# Altium PCB board_layout.pcbdoc (part 1 of 3) (continued)
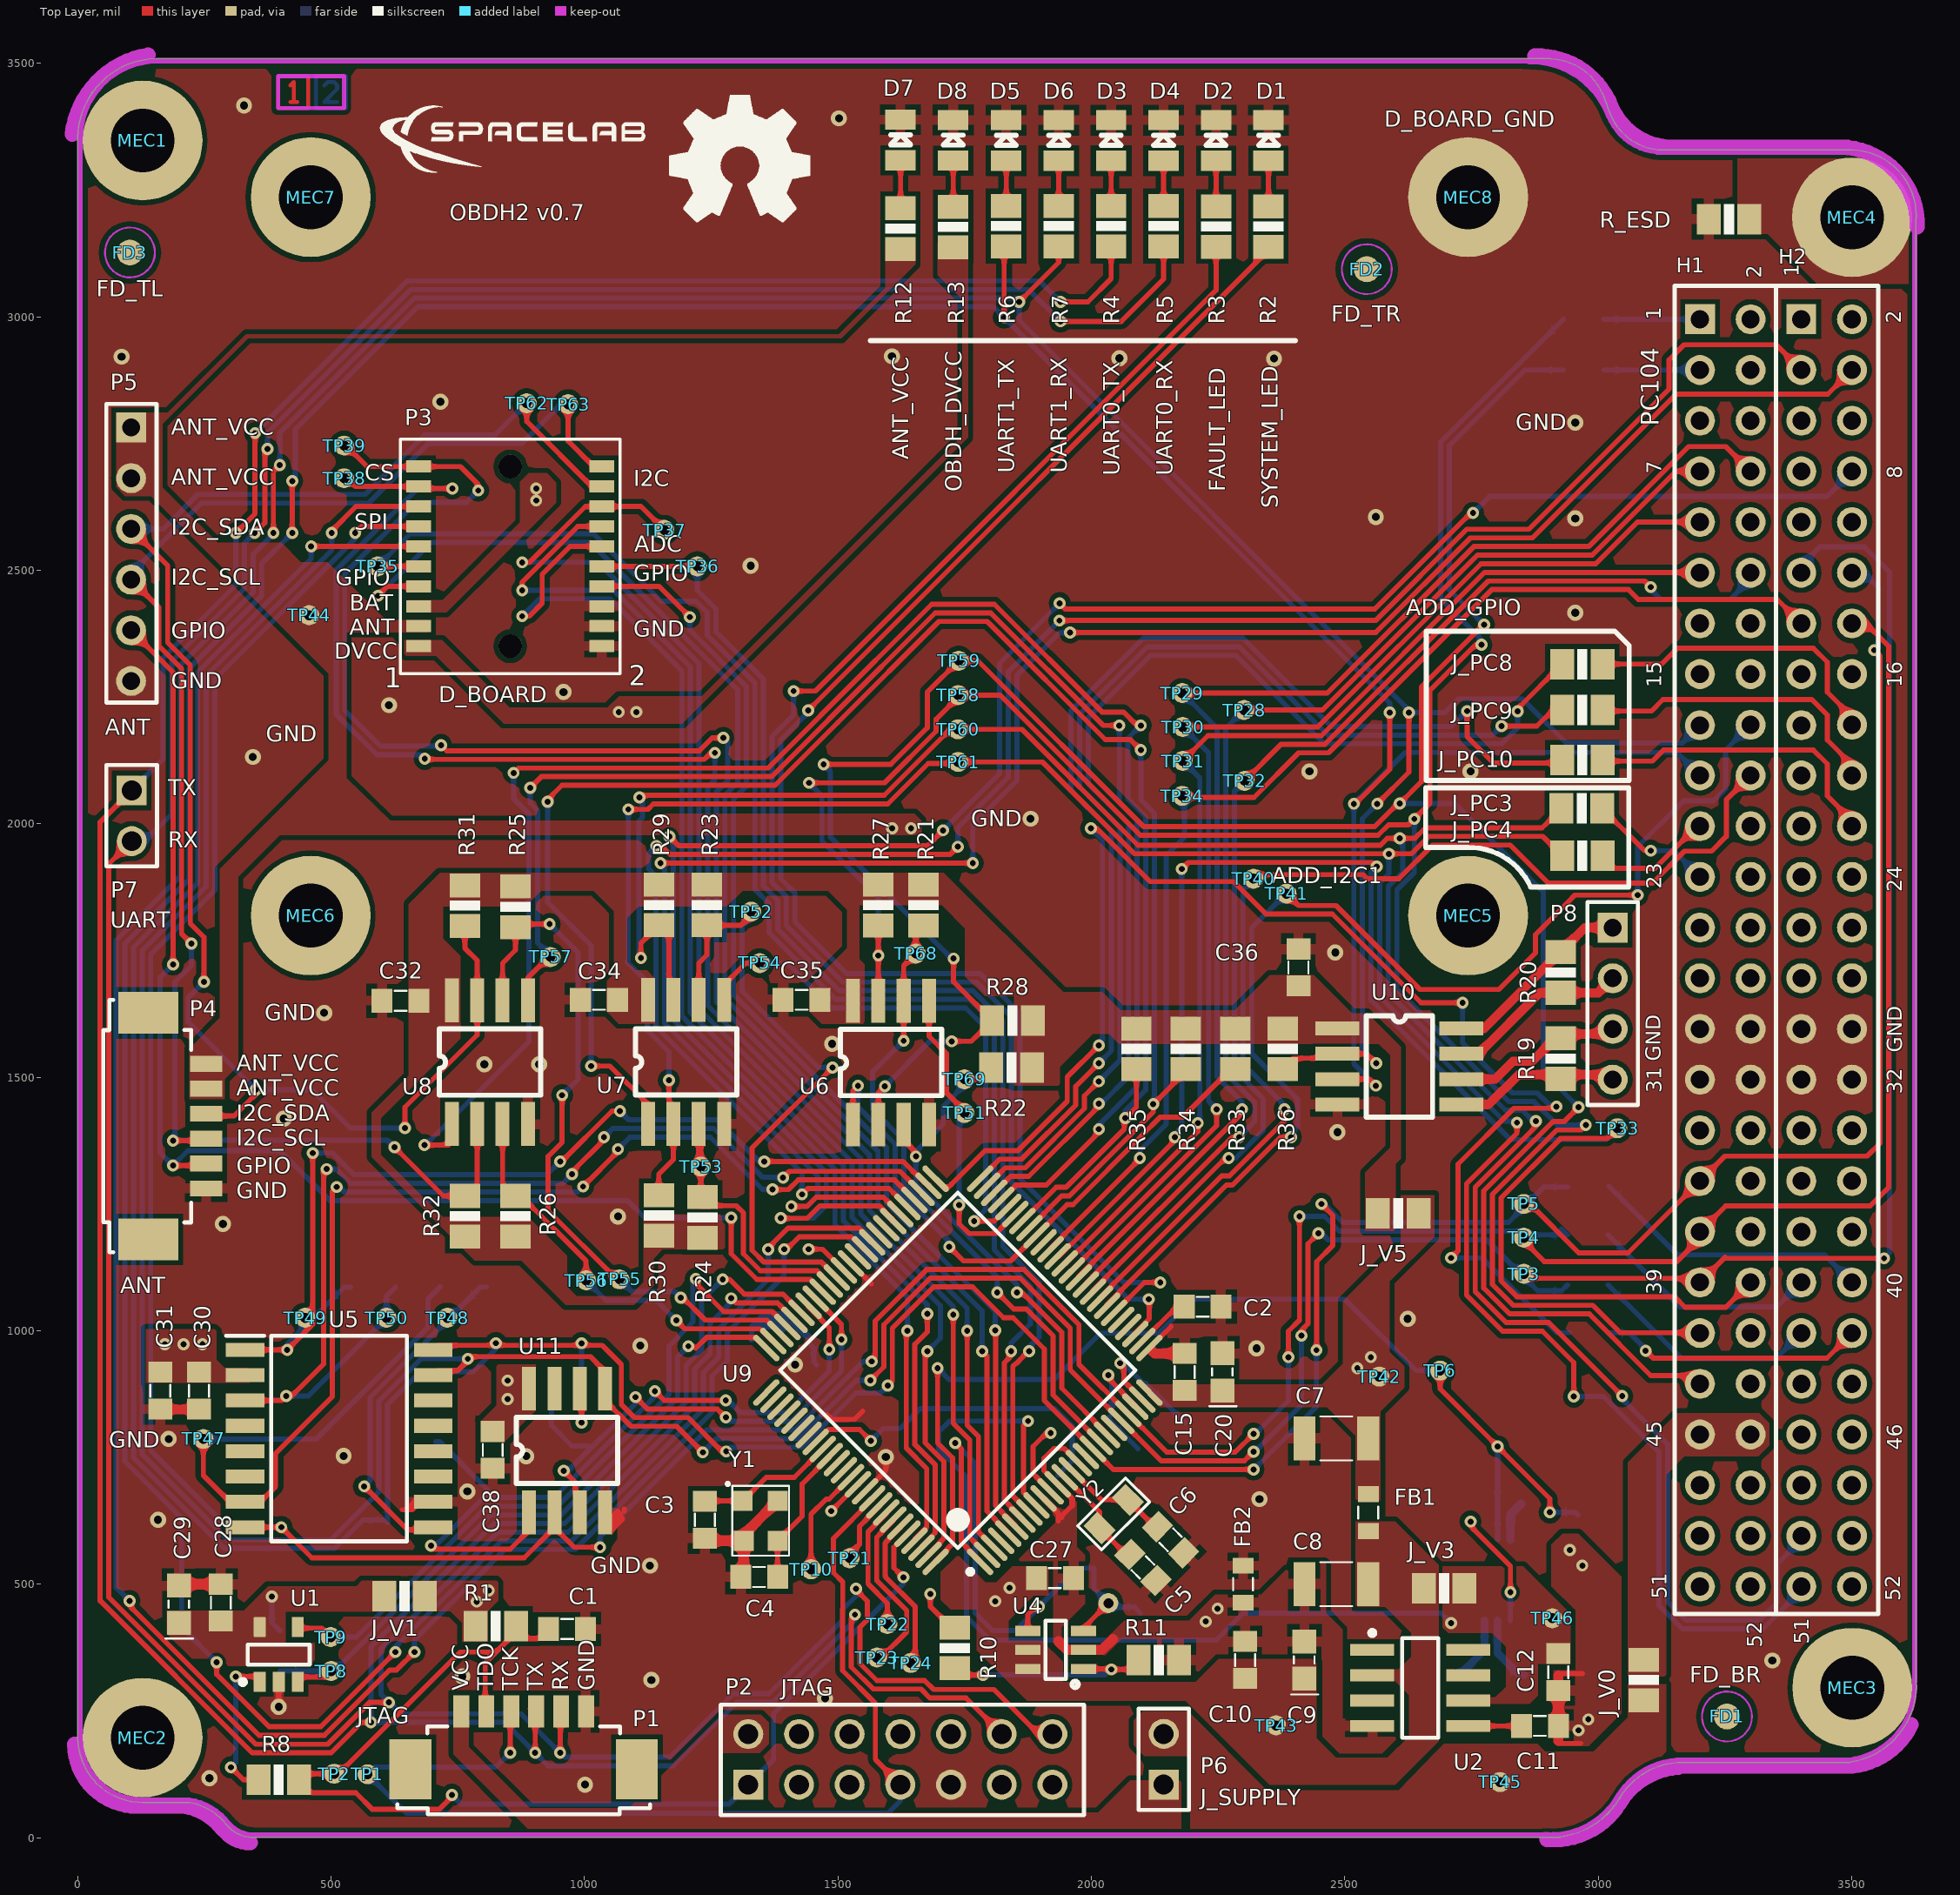
[diagram p0: Top Layer view]
## Components (designator, comment, footprint, x,y, rotation, side; value= is the part's Value field where it differs from the comment) (continued)
R10 "47k" 0805 1730.31,374.02 r90 top
R11 "47k" 0805 2132.87,350.59 r180 top
R12 "1k" 0805 1623.43,3174.12 r270 top
R13 "1k" 0805 1727.36,3177.39 r270 top
R14 "10k" 0805 715.55,1126.78 r90 bottom
R15 "10k" 0805 806.1,1125.98 r90 bottom
R16 "10k" 0805 538.39,1125.68 r90 bottom
R17 "10k" 0805 626.97,1125.68 r90 bottom
R18 "100k" 0805 589.57,586.61 r225 bottom
R19 "120R" 0805 2926.18,1536.77 r90 top
R20 "120R" 0805 2926.18,1706.67 r270 top
R21 "10k" 0805 1668.97,1839.57 r90 top
R22 "10k" 0805 1842.34,1519.41 r0 top
R23 "10k" 0805 1241.39,1839.76 r90 top
R24 "10k" 0805 1232.28,1223.43 r270 top
R25 "10k" 0805 863.82,1836.22 r90 top
R26 "10k" 0805 863.82,1225.93 r270 top
R27 "10k" 0805 1579.6,1839.57 r90 top
R28 "10k" 0805 1844.07,1611.93 r0 top
R29 "10k" 0805 1146.53,1839.76 r90 top
R30 "10k" 0805 1146.53,1227.36 r270 top
R31 "10k" 0805 763.82,1838.58 r90 top
R32 "10k" 0805 763.82,1225.93 r270 top
R33 "10k" 0805 2283.57,1556.1 r90 top
R34 "10k" 0805 2186.14,1556.1 r90 top
R35 "10k" 0805 2088.7,1556.1 r90 top
R36 "10k" 0805 2377.12,1556.1 r90 top
R37 "12K" 0805 2033.46,560.04 r225 bottom
R38 "10k" 0805 398.92,368.11 r270 bottom
R39 "10k" 0805 706.06,821.25 r90 bottom
R40 "10k" 0805 934.75,890.75 r90 bottom
R_ESD "1M" 0805 3257.87,3192.91 r0 top
RSense "0.05R/0.5W" "1206 - ohmite" 2786.42,303.15 r0 bottom
TP1 "TEST_POINT_2" TEST_POINT_2#1 571.85,125 r180 top
TP2 "TEST_POINT_2" TEST_POINT_2#1 505.91,125.98 r180 top
TP3 "TEST_POINT_2" TEST_POINT_2#1 2853.35,1112.2 r180 top
TP4 "TEST_POINT_2" TEST_POINT_2#1 2853.04,1183.43 r180 top
TP5 "TEST_POINT_2" TEST_POINT_2#1 2853.04,1250 r180 top
TP6 "TEST_POINT_2" TEST_POINT_2#1 2687.99,921.26 r180 top
TP7 "TEST_POINT_2" TEST_POINT_2#1 2033.46,462.6 r0 bottom
TP8 "TEST_POINT_2" TEST_POINT_2#1 500,328.74 r90 top
TP9 "TEST_POINT_2" TEST_POINT_2#1 499.02,395.67 r90 top
TP10 "TEST_POINT_2" TEST_POINT_2#2 1446.83,529.53 r90 top
TP21 "TEST_POINT_2" TEST_POINT_2#1 1522.91,551.18 r180 top
TP22 "TEST_POINT_2" TEST_POINT_2#1 1597.44,421.26 r180 top
TP23 "TEST_POINT_2" TEST_POINT_2#1 1576.77,355.32 r180 top
TP24 "TEST_POINT_2" TEST_POINT_2#1 1643.7,344.49 r180 top
TP28 "TEST_POINT_2" TEST_POINT_2#1 2301.18,2224.41 r180 top
TP29 "TEST_POINT_2" TEST_POINT_2#1 2179.13,2257.87 r180 top
TP30 "TEST_POINT_2" TEST_POINT_2#1 2180.12,2190.94 r180 top
TP31 "TEST_POINT_2" TEST_POINT_2#1 2180.12,2124.02 r180 top
TP32 "TEST_POINT_2" TEST_POINT_2#1 2302.17,2084.65 r180 top
TP33 "TEST_POINT_2" TEST_POINT_2#1 3037.64,1399.5 r90 top
TP34 "TEST_POINT_2" TEST_POINT_2#1 2179.13,2055.12 r90 top
TP35 "TEST_POINT_2" TEST_POINT_2#1 591.54,2507.87 r90 top
TP36 "TEST_POINT_2" TEST_POINT_2#1 1222.44,2507.87 r90 top
TP37 "TEST_POINT_2" TEST_POINT_2#1 1157.48,2579.72 r90 top
TP38 "TEST_POINT_2" TEST_POINT_2#1 525.59,2681.69 r90 top
TP39 "TEST_POINT_2" TEST_POINT_2#1 525.59,2746.06 r90 top
TP40 "TEST_POINT_2" TEST_POINT_2#1 2319.88,1891.73 r90 top
TP41 "TEST_POINT_2" TEST_POINT_2#1 2384.84,1862.2 r90 top
TP42 "TEST_POINT_2" TEST_POINT_2#1 2567.91,909.45 r90 top
TP43 "TEST_POINT_2" TEST_POINT_2#1 2364.17,221.46 r90 top
TP44 "TEST_POINT_2" TEST_POINT_2#1 456.69,2411.42 r90 top
TP45 "TEST_POINT_2" TEST_POINT_2#1 2806.1,109.65 r90 top
TP46 "TEST_POINT_2" TEST_POINT_2#1 2909.53,432.76 r90 top
TP47 "TEST_POINT_2" TEST_POINT_2#1 248.03,786.42 r90 top
TP48 "TEST_POINT_2" TEST_POINT_2#1 729.33,1025.59 r90 top
TP49 "TEST_POINT_2" TEST_POINT_2#1 448.82,1025.59 r90 top
TP50 "TEST_POINT_2" TEST_POINT_2#1 609.25,1025.59 r90 top
TP51 "TEST_POINT_2" TEST_POINT_2#1 1749.45,1429.36 r90 top
TP52 "TEST_POINT_2" TEST_POINT_2#1 1328.74,1826.77 r90 top
TP53 "TEST_POINT_2" TEST_POINT_2#1 1229.33,1323.82 r90 top
TP54 "TEST_POINT_2" TEST_POINT_2#1 1345.47,1725.1 r90 top
TP55 "TEST_POINT_2" TEST_POINT_2#1 1068.9,1101.38 r90 top
TP56 "TEST_POINT_2" TEST_POINT_2#1 1002.95,1099.32 r90 top
TP57 "TEST_POINT_2" TEST_POINT_2#1 933.07,1737.2 r90 top
TP58 "TEST_POINT_2" TEST_POINT_2#1 1737.2,2253.94 r90 top
TP59 "TEST_POINT_2" TEST_POINT_2#1 1738.19,2321.67 r90 top
TP60 "TEST_POINT_2" TEST_POINT_2#1 1736.62,2186.42 r90 top
TP61 "TEST_POINT_2" TEST_POINT_2#1 1737.2,2122.05 r90 top
TP62 "TEST_POINT_2" TEST_POINT_2#1 885.83,2829.72 r90 top
TP63 "TEST_POINT_2" TEST_POINT_2#1 967.52,2827.76 r90 top
TP68 "TEST_POINT_2" TEST_POINT_2#1 1653.54,1744.09 r90 top
TP69 "TEST_POINT_2" TEST_POINT_2#1 1749.45,1496.06 r90 top
U1 "TPS3823-33QDBVRQ1" DBV0005A_N 396.65,361.22 r90 top
U2 "REF5030A-Q1" SOIC-8 2648.62,295.28 r0 top
U3 "MAX9934TAUA+" MSOP-8 2813.98,507.87 r270 bottom
U4 "TLV341AIDBVR" "SOT-23 6L" 1929.52,370.28 r90 top
U5 "MT25QL01GBBB8ESF-0SIT" SOIC127P1032X265-16N 515.75,787.32 r0 top
U6 "TCA4311ADR" SOIC8 1529.6,1406.69 r90 top
U7 "TCA4311ADR" SOIC8 1125.27,1407.87 r90 top
U8 "TCA4311ADR" SOIC8 738.25,1407.68 r90 top
U9 "MSP430F6659IPZR_1" PZ0100A_N 1736.49,921.87 r135 top value=Value
U10 "THVD1451DR" SOIC8 2485.39,1596.26 r0 top
U11 "CY15B102QN-50SXE" SOIC8 890.56,641.43 r90 top
V1 "47k" 0805 2137.8,721.66 r315 bottom
V2 "47k" 0805 2005.63,849.95 r315 bottom
V3 "47k" 0805 2212.6,790.35 r315 bottom
V4 "47k" 0805 2130.91,924.21 r225 bottom
Y1 "32MHz 10ppm" XTAL_ABM8X 1347.44,625 r270 top
Y2 "32.768kHz 12.5pF" "ABS06 0805" 2043.85,638.55 r45 top

## Footprints (in the part's own frame and the unit in brackets; to place one, negate y for a bottom-side part, rotate by r counter-clockwise, add the part's x,y. Pads: shape width x height; smd on the part's side, far side on the other; paste and mask are expansions set on the pad)
0805 [mil]
  rect 47.24x60 smd: 1(-40,0) 2(40,0)
  silkscreen extent -10,-30 10,30, body extent -50,-24 49,25, height 31
0805-LED [mil]
  rect 40x60 smd: 1(-40.35,0) 2(39.65,0)
  silkscreen extent -10,-20 10,20, body extent -40,-25 40,25, height 43
"1206 - ohmite" [mm]
  rect 1.5x0.57 smd: 1(-1.725,0.475) 2(1.725,0.5) 3(-1.725,-0.475) 4(1.725,-0.45)
  silkscreen extent -0.32,-0.76 0.32,0.76, body extent -2.01,-0.8 1.99,0.8, height 1.53
"ABS06 0805" [mm]
  rect 1x1.3 smd: 1(-1,0) 2(1,0)
  silkscreen extent -1.7,-0.85 1.7,0.85, body extent -1,-0.6 1,0.62, height 0.6
CC0805 [mm] "TDK mlccspec_commercial_general_midvoltage_en.pdf"
  rect 1.05x1.2 smd: 1(-0.925,0) 2(0.925,0)
  silkscreen extent -0.3,-0.5 0.3,0.5, body extent -1.25,-0.62 1.25,0.62, height 0.78
CC0805_Tantalum [mm] "TDK mlccspec_commercial_general_midvoltage_en.pdf"
  rect 1.2x1.2 smd: 1(-0.93,0) 2(0.93,0)
  silkscreen extent -1.73,-0.7 0.18,0.67, body extent -1.04,-0.59 1.21,0.76, height 1.35
CC1210 [mm] "TDK mlccspec_commercial_general_midvoltage_en.pdf"
  rect 1.1x2.2 smd: 1(-1.6,0) 2(1.6,0)
  silkscreen extent -0.8,-1.1 0.8,1.1, body extent -2,-1.24 2,1.24, height 1.69
"CONN HEADER VERT 14POS 2.54MM" [mm]
  rect 1.5x1.5 hole 1: 1(-7.62,-1.27)
  round 1.5 hole 1: 2(-7.62,1.27) 3(-5.08,-1.27) 4(-5.08,1.27) 5(-2.54,-1.27) 6(-2.54,1.27) 7(0,-1.27) 8(0,1.27) 9(2.54,-1.27) 10(2.54,1.27) 11(5.08,-1.27) 12(5.08,1.27) 13(7.62,-1.27) 14(7.62,1.27)
  silkscreen extent -9,-2.8 9.2,2.75
DBV0005A_N [mm] "SOT23, 5-Leads, Body 3.05x1.75mm, Pitch 0.95mm, IPC Medium Density"
  rect 1x0.6 smd: 1(-1.375,0.95) 2(-1.375,0) 3(-1.375,-0.95) 4(1.375,-0.95)
  rrect17% 1x0.6 smd: 5(1.375,0.95)
  silkscreen extent -1.5,-1.55 0.5,1.92, body extent -1.42,-1.46 1.42,1.46, height 1.08
"Fiducial 1.3mm" [mm]
  round 1.3 smd mask+0.6: FD0(0,0)
  Top Layer keep-out circle w0.1: c0,0 r1.25
FSI-110-03-X-D-AD [mm]
  rect 0.61x1.26 smd: 1(-4.5,4.59) 2(-4.5,-4.59) 3(-3.5,4.59) 4(-3.5,-4.59) 5(-2.5,4.59) 6(-2.5,-4.59) 7(-1.5,4.59) 8(-1.5,-4.59) 9(-0.5,4.59) 10(-0.5,-4.59) 11(0.5,4.59) 12(0.5,-4.59) 13(1.5,4.59) 14(1.5,-4.59) 15(2.5,4.59) 16(2.5,-4.59) 17(3.5,4.59) 18(3.5,-4.59) 19(4.5,4.59) 20(4.5,-4.59)
  round 1.19 hole 1.19 unplated: None(-4.5,0) None(4.5,0)
  silkscreen extent -5.88,-5.5 5.88,5.5, body extent -5.38,-4.94 5.38,5.06, height 4.25
HDR1X4 [mm] "Connector; Header; 4 Position"
  rect 1.5x1.5 hole 0.9: 1(0,0)
  round 1.5 hole 0.9: 2(2.54,0) 3(5.08,0) 4(7.62,0)
  silkscreen extent -1.27,-1.27 8.89,1.27
HDR1X6H [mm] "Connector; Header; 6 Position; Right Angle"
  rect 1.5x1.5 hole 0.9: 1(0,0)
  round 1.5 hole 0.9: 2(2.54,0) 3(5.08,0) 4(7.62,0) 5(10.16,0) 6(12.7,0)
  silkscreen extent -1.18,-1.24 13.78,1.28
"HDR 1X2" [mm]
  rect 1.5x1.5 hole 1: 1(-1.27,0)
  round 1.5 hole 1: 2(1.27,0)
  silkscreen extent -2.54,-1.27 2.54,1.27
IND0805 [mm]
  rect 0.8x1.05 smd: 1(-0.925,0) 2(0.925,0)
  silkscreen extent -0.3,-0.5 0.3,0.5, body extent -1,-0.6 1,0.6, height 0.95
"M3 hole" [mm]
  round 6 hole 3.2: 0(0,0)
MSOP-8 [mm] "8-Lead Mini Small Outline Package [MSOP] (RM-8)"
  rect 1.5x0.45 smd: 1(-2.025,0.975) 2(-2.025,0.325) 3(-2.025,-0.325) 4(-2.025,-0.975) 5(2.025,-0.975) 6(2.025,-0.325) 7(2.025,0.325) 8(2.025,0.975)
  silkscreen extent -2.15,-1.6 0.87,1.87, body extent -2.46,-1.5 2.46,1.5, height 1.1
PC104 [mm] "Connector; Header; 26x4 Position"
  rect 1.5x1.5 hole 0.9: H1-1(63.5,7.7) H2-1(63.5,2.625)
  round 1.5 hole 0.9: H1-2(63.5,5.16) H1-3(60.96,7.7) H1-4(60.96,5.16) H1-5(58.42,7.7) H1-6(58.42,5.16) H1-7(55.88,7.7) H1-8(55.88,5.16) H1-9(53.34,7.7) H1-10(53.34,5.16) H1-11(50.8,7.7) H1-12(50.8,5.16) H1-13(48.26,7.7) H1-14(48.26,5.16) H1-15(45.72,7.7) H1-16(45.72,5.16) H1-17(43.155,7.7) H1-18(43.18,5.16) H1-19(40.64,7.7) H1-20(40.64,5.16) H1-21(38.1,7.7) H1-22(38.1,5.16) H1-23(35.56,7.7) H1-24(35.56,5.16) H1-25(33.02,7.7) H1-26(33.02,5.16) H1-27(30.48,7.7) H1-28(30.48,5.16) H1-29(27.94,7.7) H1-30(27.94,5.16) H1-31(25.4,7.7) H1-32(25.4,5.16) H1-33(22.86,7.7) H1-34(22.86,5.16) H1-35(20.32,7.7) H1-36(20.32,5.16) H1-37(17.78,7.7) H1-38(17.78,5.16) H1-39(15.24,7.7) H1-40(15.24,5.16) H1-41(12.7,7.7) H1-42(12.7,5.16) H1-43(10.16,7.7) H1-44(10.16,5.16) H1-45(7.62,7.7) H1-46(7.62,5.16) H1-47(5.08,7.7) H1-48(5.08,5.16) H1-49(2.54,7.7) H1-50(2.54,5.16) H1-51(0,7.7) H1-52(0,5.16) H2-2(63.5,0.08) H2-3(60.96,2.62) H2-4(60.96,0.08) H2-5(58.42,2.62) H2-6(58.42,0.08) H2-7(55.88,2.62) H2-8(55.88,0.08) H2-9(53.34,2.625) H2-10(53.34,0.08) H2-11(50.8,2.625) H2-12(50.8,0.08) H2-13(48.26,2.62) H2-14(48.26,0.08) H2-15(45.72,2.62) H2-16(45.72,0.08) H2-17(43.155,2.62) H2-18(43.18,0.08) H2-19(40.64,2.62) H2-20(40.64,0.08) H2-21(38.1,2.62) H2-22(38.1,0.08) H2-23(35.56,2.62) H2-24(35.56,0.08) H2-25(33.02,2.62) H2-26(33.02,0.08) H2-27(30.48,2.62) H2-28(30.48,0.08) H2-29(27.94,2.62) H2-30(27.94,0.08) H2-31(25.4,2.62) H2-32(25.4,0.08) H2-33(22.86,2.62) H2-34(22.86,0.08) H2-35(20.32,2.62) H2-36(20.32,0.08) H2-37(17.78,2.62) H2-38(17.78,0.08) H2-39(15.24,2.62) H2-40(15.24,0.08) H2-41(12.7,2.62) H2-42(12.7,0.08) H2-43(10.16,2.62) H2-44(10.16,0.08) H2-45(7.62,2.62) H2-46(7.62,0.08) H2-47(5.08,2.62) H2-48(5.08,0.08) H2-49(2.54,2.62) H2-50(2.54,0.08) H2-51(0,2.62) H2-52(0,0.08)
  silkscreen extent -1.38,-1.22 65.18,8.97, body extent -1.47,-1 65.1,8.85, height 8.51
"PICOBLADE 6PIN Right Angle" [mm]
  rect 2.1x3 smd: 0(-5.675,-1.45) 0(5.675,-1.45)
  rect 0.8x1.6 smd: 1(-3.125,1.45) 2(-1.875,1.45) 3(-0.625,1.45) 4(0.625,1.45) 5(1.875,1.45) 6(3.125,1.45)
  silkscreen extent -6.33,-3.7 6.32,0.7, body extent -6.32,-3.6 6.33,1.6, height 3.5
PZ0100A_N [mm]
  oval 1.75x0.3 smd paste-0.102 mask+0.051: 1(-7.575,6) 2(-7.575,5.5) 3(-7.575,5) 4(-7.575,4.5) 5(-7.575,4) 6(-7.575,3.5) 7(-7.575,3) 8(-7.575,2.5) 9(-7.575,2) 10(-7.575,1.5) 11(-7.575,1) 12(-7.575,0.5) 13(-7.575,0) 14(-7.575,-0.5) 15(-7.575,-1) 16(-7.575,-1.5) 17(-7.575,-2) 18(-7.575,-2.5) 19(-7.575,-3) 20(-7.575,-3.5) 21(-7.575,-4) 22(-7.575,-4.5) 23(-7.575,-5) 24(-7.575,-5.5) 25(-7.575,-6) 51(7.575,-6) 52(7.575,-5.5) 53(7.575,-5) 54(7.575,-4.5) 55(7.575,-4) 56(7.575,-3.5) 57(7.575,-3) 58(7.575,-2.5) 59(7.575,-2) 60(7.575,-1.5) 61(7.575,-1) 62(7.575,-0.5) 63(7.575,0) 64(7.575,0.5) 65(7.575,1) 66(7.575,1.5) 67(7.575,2) 68(7.575,2.5) 69(7.575,3) 70(7.575,3.5) 71(7.575,4) 72(7.575,4.5) 73(7.575,5) 74(7.575,5.5) 75(7.575,6)
  oval 0.3x1.75 smd paste-0.102 mask+0.051: 26(-6,-7.575) 27(-5.5,-7.575) 28(-5,-7.575) 29(-4.5,-7.575) 30(-4,-7.575) 31(-3.5,-7.575) 32(-3,-7.575) 33(-2.5,-7.575) 34(-2,-7.575) 35(-1.5,-7.575) 36(-1,-7.575) 37(-0.5,-7.575) 38(0,-7.575) 39(0.5,-7.575) 40(1,-7.575) 41(1.5,-7.575) 42(2,-7.575) 43(2.5,-7.575) 44(3,-7.575) 45(3.5,-7.575) 46(4,-7.575) 47(4.5,-7.575) 48(5,-7.575) 49(5.5,-7.575) 50(6,-7.575) 76(6,7.575) 77(5.5,7.575) 78(5,7.575) 79(4.5,7.575) 80(4,7.575) 81(3.5,7.575) 82(3,7.575) 83(2.5,7.575) 84(2,7.575) 85(1.5,7.575) 86(1,7.575) 87(0.5,7.575) 88(0,7.575) 89(-0.5,7.575) 90(-1,7.575) 91(-1.5,7.575) 92(-2,7.575) 93(-2.5,7.575) 94(-3,7.575) 95(-3.5,7.575) 96(-4,7.575) 97(-4.5,7.575) 98(-5,7.575) 99(-5.5,7.575) 100(-6,7.575)
  silkscreen extent -7.7,-6.3 6.3,6.82, body extent -8.1,-8.1 8.05,8.05, height 1.62
SOIC8 [mm]
  rect 2.2x0.7 smd: 1(0,0) 2(0,-1.27) 3(0,-2.54) 4(0,-3.81) 5(6.205,-3.81) 6(6.205,-2.54) 7(6.205,-1.27) 8(6.205,0)
  silkscreen extent 1.45,-4.44 4.77,0.64, body extent 0.1,-4.4 6.1,0.6, height 1.7
SOIC127P1032X265-16N [mm]
  rect 1.925x0.7 smd: 1(-4.712,4.445) 2(-4.712,3.175) 3(-4.712,1.905) 4(-4.712,0.635) 5(-4.712,-0.635) 6(-4.712,-1.905) 7(-4.712,-3.175) 8(-4.712,-4.445) 9(4.712,-4.445) 10(4.712,-3.175) 11(4.712,-1.905) 12(4.712,-0.635) 13(4.712,0.635) 14(4.712,1.905) 15(4.712,3.175) 16(4.712,4.445)
  silkscreen extent -5.68,-5.15 3.4,5.15, body extent -5.23,-5.21 5.1,5.09, height 2.65
SOIC-8 [mm] "SOIC, 8-Leads, Body 4,89x3,90mm, Pitch 1,27mm, IPC Medium Density"
  rect 2.2x0.6 smd: 1(-2.4,1.905) 2(-2.4,0.635) 3(-2.4,-0.635) 4(-2.4,-1.905) 5(2.4,-1.905) 6(2.4,-0.635) 7(2.4,0.635) 8(2.4,1.905)
  silkscreen extent -2.52,-2.5 0.9,2.88, body extent -3,-2.45 3,2.45, height 1.75
"SOT-23 6L" [mm]
  rect 0.508x1.27 smd: 1(-0.95,-1.4) 2(0,-1.4) 3(0.95,-1.4) 4(0.95,1.4) 5(0,1.4) 6(-0.95,1.4)
  silkscreen extent -1.88,-1.13 1.46,0.51, body extent -1.5,-1.4 1.5,1.4, height 0.86
TEST_POINT_2#1 [mm]
  round 1 hole 0.5: 1(0,0)
TEST_POINT_2#2 [mm]
  round 1.016 hole 0.508: 1(0,0)
XTAL_ABM8X [mm]
  rect 1x1 smd: 1(-1,-0.9) 2(1,-0.85) 3(1,0.85) 4(-1,0.85)
  silkscreen extent -1.93,-1.73 1.75,1.43, body extent -1.6,-1.22 1.6,1.28, height 0.6

## Part data
C1: library part Cap_Cer_X7R_1nF_16V_0603, "CAP CER 1nF 16V 0603 5%", Partnumber=C0603X102J4RECAUTO, NCM=8532.24.10
C2: library part Cap_Cer_X7R_0.47uF_50V_0805, "CAP CER 0.47UF 50V 10% X7R 0805", Partnumber=C0805C474K5RACTU, NCM=8532.24.10
C3 C4: library part Cap_Cer_X7R_10pF_100V_0805, "CAP CER 10pF 100V 0805", Partnumber=08051A100FAT2A, NCM=8532.24.10
C5 C6: library part Cap_Cer_X7R_12pF_50V_0805, "CAP CER 12pF 50V 0805", Partnumber=CL21C120FBANNNC, NCM=8532.24.10
C7 C8: library part Cap_Cer_X7R_0.01uF_16V_1210, "CAP CER 22uF 16V 10% X7R 1210", Partnumber=C3225X7R1C226K250AC, NCM=8532.24.10
C9 C18 C19 C20: library part Cap_Tant_SMD_10uF_6V3_0805, "CAP Tantalum 10uF 6.3V 10% 0805", Partnumber=TPSR106K006R1000, NCM=8532.21.11
C10 C12 C13 C14 C15 C16 C17 C21 C23 C25 C27 C28 C36 C37: library part Cap_Cer_X7R_0.1uF_25V_0805, "CAP CER 0.1UF 25V 10% X7R 0805", Partnumber=CC0805KRX7R8BB104, NCM=8532.24.10
C11 C32 C34 C35: library part Cap_Cer_X7R_0.01uF_50V_0805, "CAP CER 0.01uF 25V 10% X7R 0805", Partnumber=CL21B103KAANNNC, NCM=8532.24.10
C22 C24 C26 C29: library part Cap_Tant_SMD_10uF_10V_0805, "CAP Tantalum 10uF 10V 20% 0805", Partnumber=TPSP106M010R2000, NCM=8532.21.11
C30 C38: library part Cap_Cer_X7R_100nF_50V_0603, "CAP CER 100nF 50V 0603 10%", Partnumber=C0603C104K5RAC3121, NCM=8532.24.10
C31 C39: library part Cap_Cer_X7R_4.7uF_25V_0805, "CAP CER 4.7UF 25V 10% X7R 0805", Partnumber=C0805C475K3RACAUTO, NCM=8532.24.10
D1 D2 D3 D4 D5 D6: library part LED/R_0603, "SMD Orange LED", Partnumber=LTST-C170KFKT, NCM=8541.40.21
D7 D8: library part LED/G_0805, "SMD Green LED", Partnumber=LTST-C171GKT, NCM=8541.40.21
FB1 FB2: library part FB_30R_4A_100MHz_0805, "Ferrite Bead 30 OHM 3A 100MHz", Partnumber=BLM21PG300SN1D, NCM=8504.50.00
FD1 FD2 FD3 FD4 FD5 FD6: "Fiducial 1.3mm"
J_PC1 J_PC2 J_PC3 J_PC4 J_PC5 J_PC6 J_PC7 J_PC8 J_PC9 J_PC10 J_PC11 J_V0 J_V1 J_V2 J_V3 J_V4 J_V5: library part R0R_JUMPER_1/8W_0805, "RES 0R OHM 1/8W JUMPER 0805", Partnumber=CRCW08050000Z0EA, NCM=8533.21.20
MEC1 MEC2 MEC3 MEC4 MEC5 MEC6 MEC7 MEC8: library part "M3 hole", "M3 hole"
P1 P4: "PicoBlade 6 Position Right Angle Connector Header Surface Mount  0.049\" (1.25mm)", LatestRevisionDate=17-Jul-2002, LatestRevisionNote="Re-released for DXP Platform.", Partnumber=0532610671, Publisher="Altium Limited"
P2: "Connector Header Through Hole 14 position 0.100\" (2.54mm)", Color=Black, Contact Resistance=25mR, Manufacturer=Harwin, Max Current Rating=3A, Max Operating Temperature=105°C, Min Operating Temperature=-40°C, Package Quantity=500, Supplier Part Number 1=952-1932-ND, ComponentLink1Description=https://www.verical.com/server-webapp/html/getDatasheet?partID=468550&src-supplier=Verical, ComponentLink1URL=https://www.verical.com/server-webapp/html/getDatasheet?partID=468550&src-supplier=Verical, ComponentLink2Description=http://www.harwin.com/include/downloads/drawings/M20-998.PDF?src-supplier=Element14, ComponentLink2URL=http://www.harwin.com/include/downloads/drawings/M20-998.PDF?src-supplier=Element14, ComponentLink3Description=http://www.mouser.com/ds/2/181/M20-998-351176.pdf?src-supplier=Mouser, ComponentLink3URL=http://www.mouser.com/ds/2/181/M20-998-351176.pdf?src-supplier=Mouser, Connector Type="Male Pin", Contact Material=Brass, Contact Mating Length=0.24inch, Contact Plating=Gold, Depth=5.08mm, Gender=Male, Housing Color=Black, Housing Material=Nylon, Length=17.78mm, Manufacturer Part Number=M20-9980745, Mount="Through Hole", Number of Contacts=14, Number of Positions=14, Number of Rows=2, Orientation=Straight, Packaging=Bag, Pitch=2.54mm, Pricing 1="1=0.54, 10=0.51, 100=0.391, 500=0.34, 1000=0.2805, 5000=0.2465, 10000=0.2295 (USD)", Pricing 2="1=0.54, 10=0.51, 100=0.387, 500=0.34, 1000=0.28, 2500=0.246 (USD)", Radiation Hardening=No, REACH SVHC="No SVHC", Row Spacing=0.1inch, Stock 1=15564, Stock 2=1790, Supplier 1=Digi-Key, Supplier 2=Mouser, Supplier Part Number 2=855-M20-9980745, Termination=Solder
P3: "Contact Connector", Partnumber=FSI-110-03-G-D-AD
P5: "Connector Header Through Hole 6 position 0.100\" (2.54mm)", LatestRevisionDate=17-Jul-2002, LatestRevisionNote="Re-released for DXP Platform.", Partnumber=M20-9990645, Publisher="Altium Limited"
P6 P7: "Connector Header Through Hole 2 position 0.100\" (2.54mm)", LatestRevisionDate=17-Jul-2002, LatestRevisionNote="Re-released for DXP Platform.", Partnumber=826646-2, Publisher="Altium Limited"
P8: "Connector Header Through Hole 4 position 0.100\" (2.54mm)", LatestRevisionDate=17-Jul-2002, LatestRevisionNote="Re-released for DXP Platform.", Partnumber=M20-9990445, Publisher="Altium Limited"
PC104: library part PC104, "PC104", Partnumber=SSW-126-04-G-D
R1 R10 R11 V1 V2 V3 V4: library part R47k_1%_1/8W_0805, "RES 47k OHM 1/8W 1% 0805", Partnumber=RC0805FR-0747KL, NCM=8533.21.20
R2 R3 R4 R5 R6 R7 R12 R13: library part R1.0k_1%_1/8W_0805, "RES 1.0K OHM 1/8W 1% 0805", Partnumber=RC0805FR-071KL, NCM=8533.21.20
R8 R14 R15 R16 R17 R21 R22 R23 R24 R25 R26 R27 R28 R29 R30 R31 R32 R33 R34 R35 R36 R38 R39 R40: library part R10k_1%_1/8W_0805, "RES 10K OHM 1/8W 1%  0805", Partnumber=CRCW080510K0FKEA, NCM=8533.21.20
R9 R37: library part R12k_1%_1/8W_0805, "RES 12K OHM 1/8W 1%  0805", Partnumber=RC0805FR-0712KL, NCM=8533.21.20
R18: library part R100k_1%_1/8W_0805, "RES 100K OHM 1/8W 1% 0805", Partnumber=AC0805FR-13100KL, NCM=8533.21.20
R19 R20: library part R120R_1%_1/4W_0805, "RES 120R OHM 1/8W 1% 0805", Partnumber=CRGCQ0805F120R, NCM=8533.21.20
R_ESD: library part R1000k_1%_1/8W_0805, "RES 1000K OHM 1/8W 1% 0805", Partnumber=RMCF0805FG1M00, NCM=8533.21.20
RSense: library part R0.05R_0.5%_0.5W_1206, "Current Sense Resistors - SMD 0.05ohm .5% 4 Terminal", Partnumber=LVK12R050DER, NCM=8533.21.20
TP1 TP2 TP3 TP4 TP5 TP6 TP7 TP8 TP9 TP10 TP21 TP22 TP23 TP24 TP28 TP29 TP30 TP31 TP32 TP33 TP34 TP35 TP36 TP37 TP38 TP39 TP40 TP41 TP42 TP43 TP44 TP45 TP46 TP47 TP48 TP49 TP50 TP51 TP52 TP53 TP54 TP55 TP56 TP57 TP58 TP59 TP60 TP61 TP62 TP63 TP68 TP69: "Test point"
U1: library part CMP-0338-00011-2, "Processor Supervisory Circuit, 1 Supply Monitored, -40 to 85 degC, 5-Pin SOT-23 (DBV), Green (RoHS & no Sb/Br)", Manufacturer="Texas Instruments", Operating Temperature Range="-40 to 85 degC", Rating=Catalog, Threshold Voltage="2.93 V Typ.", # of Supplies Monitored=1, ComponentLink1Description="Manufacturer URL", ComponentLink1URL=www.ti.com, ComponentLink2Description=Datasheet, ComponentLink2URL=http://www.ti.com/lit/ds/symlink/tps3820-33.pdf, ComponentLink3Description="Package Specification", ComponentLink3URL=http://www.ti.com/lit/ml/mpds018j/mpds018j.pdf, DatasheetVersion=SLVS165J, Iq="15 uA Typ.", Mounting Technology="Surface Mount", Output Driver Type / Reset Output="Active-low, Push-pull", PackageDescription="5-Pin Plastic Small Outline, Body 1.6 x 2.9 mm, Pitch 0.95 mm", PackageReference=DBV0005A, PackageVersion=4073253-4/L, Packing="Tape and Reel", Partnumber=TPS3823-33QDBVRQ1, Reset Threshold Accuracy=2.4%, RoHS=TRUE, Time Delay="25 ms", VCC="1.1 V Min.", Watchdog Timer WDI="0.2 s"
U5: "IC FLASH 1GBIT 108MHZ 16SOIC", Manufacturer_Name=Micron, Mouser Part Number=340-278808-TRAY, Datasheet Link=https://www.micron.com/~/media/documents/products/data-sheet/nor-flash/serial-nor/mt25q/die-rev-b/mt25q_qlkt_l_01g_bbb_0.pdf, Geometry.Height=2.65mm, Mouser Price/Stock=https://www.mouser.com/Search/Refine.aspx?Keyword=340-278808-TRAY, Partnumber=MT25QL01GBBB8ESF-0SIT
U6 U7 U8: "IC SIGNAL BUFFER I2C 8SOIC", Partnumber=TCA4311ADR
U9: "Imported", Alternate PartNumber=MSP430F6659IPZ, Manufacturer="Texas Instruments", Partnumber=MSP430F6659IPZR, CompType=IC, MountType=SMT, PackageReference=PZ0100A, PIN_COUNT=100, RefDes=RefDes, RoHS=Y, Type=DEV
U10: "IC INTERFACE RS422_RS485 8SOIC", Partnumber=THVD1451DR
U11: "FRAM (Ferroelectric RAM) Memory IC 2Mb (256K x 8) SPI 50 MHz 8-SOIC", Partnumber=CY15B102QN-50SXE
Y1: library part XTAL_32MHz_SMD_4-SMD, "32MHz ±10ppm Crystal 10pF 60 Ohm -40°C ~ 125°C", Partnumber=ABM8X-102-32.000MHZ-T, NCM=8541.60.10
Y2: library part Xtal_32.768kHz_12pF_2_SMD, "32.768kHz ±20ppm Crystal 12.5pF 70 kOhm -40°C ~ 125°C", Partnumber=ECS-.327-12.5-34S-TR, NCM=8541.60.10
U2: Partnumber=REF5030A-Q1
U3: Partnumber=MAX9934TAUA+
U4: Partnumber=TLV341AIDBVR

## Via types
v1: diameter 23.62, hole 11.81, Top Layer to Bottom Layer, tented both sides, 247 vias
v2: diameter 31.5, hole 15.75, Top Layer to Bottom Layer, tented both sides, 28 vias
v3: diameter 31.5, hole 15.75, Top Layer to Bottom Layer, tented bottom, 8 vias
v4: diameter 31.5, hole 15.75, Top Layer to Bottom Layer, tented top, 8 vias
v5: diameter 31.5, hole 15.75, Top Layer to Bottom Layer, 2 vias

## Nets (pads, with @x,y where several pads share a name; then routed paths per layer and width w, separated by ;. In a path a pad name is that pad's centre, name@x,y a point inside that pad or via, vN(x,y) a via of type N, cw(c..) or ccw(c..) an arc to the next point about the centre after c; other vN are vias at no path point)
3V3_Buffers: C32.1 C34.1 C35.1 C36.1 J_V5.1 R21.2 R22.2 R23.2 R24.2 R25.2 R26.2 R27.2 R28.2 R29.2 R30.2 R31.2 R32.2 R33.2 R34.2 R35.2 R36.2 U6.8 U7.8 U8.8 U10.1
3V3_CURRENT_SENSING: C25.1 C26.1 J_V2.1 U3.1 U3.6 | length 227.9
  Top Layer w10: v1(2748.14,623.47) 2748.14,614.22 2826.81,535.55 v1(2826.81,484.09)
  Bottom Layer w10: U3.6@2826.77,428.15 2826.81,428.19 v1(2826.81,484.09)
3V3_MEMORY: C30.1 C31.1 C38.1 C39.1 J_V4.1 R14.2 R15.2 R16.2 R17.2 R39.2 R40.2 U5.2 U11.8
  other v1: 848.43,865.16 848.43,901.57 171.82,973.43 209,973.43 246.17,973.43
3V3_Watchdog_Circuit: C28.1 C29.1 J_V1.1 R38.1 U1.5 | length 73.9
  Bottom Layer w10: v1(382.87,475.39) 382.87,424.16 R38.1@398.92,408.11
\M\R\_WDOG: R38.2 TP8.1 U1.3 U9.75 | length 1367.7
  Top Layer w10: U1.3@434.06,307.09 443.9,316.93 488.19,316.93 TP8.1@500,328.74 ; v1(1204.72,969.49) 1215.55,969.49 1219.49,965.55 1240.74,986.8 1337.49,986.8 U9.75@1358.58,965.71
  Bottom Layer w10: R38.2@398.92,328.11 399.55,328.74 TP8.1@500,328.74 506.84,328.74 713.1,535.01 713.74,535.01 737.63,558.9 737.63,559.53 814.64,636.54 953.53,636.54 1016.84,699.85 1016.84,700.47 1183.44,867.07 1183.44,948.2 v1(1204.72,969.49)
ADD_GPIO0: J_PC8.1 PC104.H2-18 | length 611.6
  Top Layer w10: J_PC8.1@3008.5,2314.96 3125,2314.96 3156.5,2346.46 3424.21,2346.46 3451.77,2318.9 3451.77,2259.84 3500.59,2211.02 PC104.H2-18@3500.59,2195.28
ADD_GPIO1: J_PC9.1 PC104.H2-20 | length 604.8
  Top Layer w10: J_PC9.1@3008.5,2222.44 3105.03,2222.44 3127.67,2245.08 3421.26,2245.08 3451.77,2214.57 3451.77,2165.35 3500.59,2116.54 PC104.H2-20@3500.59,2095.28
ADD_GPIO2: J_PC10.1 PC104.H2-22 | length 606.9
  Top Layer w10: J_PC10.1@3008.5,2123.55 3106.81,2123.55 3128.94,2145.67 3424.21,2145.67 3451.77,2118.11 3451.77,2055.12 3500.59,2006.3 PC104.H2-22@3500.59,1995.28
ADD_GPIO3: J_PC11.1 PC104.H2-42 | length 520.4
  Top Layer w10: v1(3093.5,960.63) 3108.27,945.87 3451.18,945.87 PC104.H2-42@3500.59,995.28
  Bottom Layer w10: J_PC11.1@3023.27,996.06 3061.17,996.06 3093.5,963.73 v1(3093.5,960.63)
ADD_I2C0_SCL: J_PC2.1 PC104.H1-3 | length 189.1
  Bottom Layer w10: J_PC2.1@3011.46,2895.28 PC104.H1-3@3200.59,2895.28
ADD_I2C0_SDA: J_PC1.1 PC104.H1-1 | length 189.1
  Bottom Layer w10: J_PC1.1@3011.46,2995.28 PC104.H1-1@3200.59,2995.28
ADD_I2C1_SCL: J_PC4.1 PC104.H1-21 | length 236.6
  Top Layer w10: J_PC4.1@3008.5,1937.01 3033.11,1912.4 3112.17,1912.4 3195.05,1995.28 PC104.H1-21@3200.59,1995.28
ADD_I2C1_SDA: J_PC3.1 PC104.H1-23 | length 249.2
  Top Layer w10: J_PC3.1@3007.52,2030.71 3091.38,1946.85 v1(3103.35,1946.85)
  Bottom Layer w10: v1(3103.35,1946.85) 3149.02,1946.85 PC104.H1-23@3200.59,1895.28
ADD_SPI_CLK: J_PC7.1 PC104.H2-40 | length 558.2
  Bottom Layer w10: J_PC7.1@3020.98,1285.12 3156.5,1149.61 3446.26,1149.61 PC104.H2-40@3500.59,1095.28
ADD_SPI_MISO: J_PC6.1 PC104.H2-39 | length 459.9
  Bottom Layer w10: J_PC6.1@3019.33,1188.98 3064.8,1143.5 3142.59,1065.72 3161.06,1047.24 3352.56,1047.24 PC104.H2-39@3400.59,1095.28
ADD_SPI_MOSI: J_PC5.1 PC104.H2-41 | length 462.5
  Bottom Layer w10: J_PC5.1@3019.33,1090.55 3165,944.88 3350.2,944.88 PC104.H2-41@3400.59,995.28
AGND: C8.2 C9.2 C10.2 C11.2 C12.2 C13.2 C14.2 C21.2 C22.2 C25.2 C26.2 C27.2 C37.2 FB2.2 R9.1 R11.1 R37.1 U2.4 U3.3 U4.2 U9.10 U9.12 U9.15 U9.83 | length 1394.2
  Top Layer w10: U9.83@1456.02,780.58 1480.55,805.12 1488.93,805.12 1489.18,804.86 1528.53,804.86 1528.79,805.12 1542.32,805.12 v1(1564.96,782.48) ; U9.10@1905.61,669.23 1934.46,640.39 1934.46,624.95 ; U9.12@1933.45,697.07 1906.54,723.98 1906.54,748.3 1925.96,767.72 1946.32,767.72 U9.15@1975.21,738.83 ; 1941.67,631.89 1941.67,634.93 1961.94,655.19 ; 2921.26,190.94 2926.18,186.02 2965.55,186.02 ; 2921.26,319.88 2925.2,323.82 2968.5,323.82
  Top Layer w12: U9.12@1933.45,697.07 1961.94,668.58 1961.94,655.19
  Top Layer w20: 1935.04,387.02 1951.78,370.28 U4.2@1984.63,370.28 2020.56,370.28 2042.32,392.04 ; 2921.26,190.94 C11.2@2921.26,220.47 C12.2@2921.26,290.12 2921.26,319.88
  Bottom Layer w10: v1(1564.96,782.48) 1589.57,807.09 1623.03,807.09 1662.4,846.46 1927.17,846.46 1961.94,811.69 1961.94,743.2 C22.2@1933.6,714.87
  Bottom Layer w17: U3.3@2826.77,587.6 2826.77,637.44 2847.44,658.11
  other v1: 2961.17,211.61 2980.31,233.27 2225.39,426.34 2249.02,451.77 2968.5,536.75 2943.9,567.34
ANTENNA_GPIO: P4.5 P5.5 U9.67 | length 2629.3
  Top Layer w10: P5.5@105.31,2381.69 188.13,2298.88 v1(188.13,1722.68) ; v1(187.99,1325.79) 253.86,1325.79 P4.5@254.45,1325.2 ; v1(1289.37,1222.85) 1289.37,1151.7 1339.84,1101.24 1445.77,1101.24 U9.67@1469.94,1077.07
  Bottom Layer w10: v1(188.13,1722.68) 162.4,1696.95 162.4,1351.38 v1(187.99,1325.79) 217.52,1355.32 398.92,1355.32 497.52,1256.72 1084.82,1256.72 1118.68,1222.85 v1(1289.37,1222.85)
ANTENNA_VCC: C23.1 C24.1 P3.3 P4.1 P4.2 P5.1 P5.2 PC104.H2-35 PC104.H2-36 R12.2 TP44.1
  other v1: 1606.75,1991.14 1644.15,1991.14
BATTERY_VCC: P3.5 PC104.H2-45 PC104.H2-46
  other v1: 904.53,2637.8 904.53,2661.42
COMMON_VCC: C13.1 J_V0.2 P6.2 RSense.1 TP45.1
D_BOARD_ADC0: P3.12 U9.97 | length 2571
  Top Layer w10: v1(876.97,2409.45) 890.96,2409.45 916.53,2435.02 916.53,2492.46 971.31,2547.24 P3.12@1034.06,2547.24 ; v1@1637.02,1007.1 1634.68,1004.76 1634.68,768.39 1675.06,728.01 1675.06,612.4 1650.89,588.23 U9.97@1650.89,585.71
  Bottom Layer w10: v1(876.97,2409.45) 911.15,2443.63 1050.19,2443.63 1191.91,2301.91 1191.91,1620.75 1493.94,1318.72 1493.94,1209.35 1637.02,1066.27 v1(1637.02,1000)
D_BOARD_ADC1: P3.14 U9.98 | length 2582.5
  Top Layer w10: v1(876.97,2460.63) 876.97,2476.94 986.64,2586.61 P3.14@1034.06,2586.61 ; U9.98@1664.81,571.79 1664.81,574.31 1692.06,601.56 1692.06,735.05 1651.68,775.43 1651.68,973.37 1676.18,997.87 v1(1676.18,1033.46)
  Bottom Layer w10: v1(876.97,2460.63) 1057.23,2460.63 1208.91,2308.95 1208.91,1627.79 1510.94,1325.77 1510.94,1216.39 1676.18,1051.15 v1(1676.18,1033.46)
D_BOARD_ADC2: P3.16 TP37.1 U9.99 | length 2772.6
  Top Layer w10: v1(876.97,2515.75) 891.73,2515.75 1001.97,2625.98 P3.16@1034.06,2625.98 1111.22,2625.98 TP37.1@1157.48,2579.72 ; v1(1676.18,959.65) 1672.05,955.51 1672.05,779.11 1709.06,742.1 1709.06,590.72 1678.73,560.39 U9.99@1678.73,557.87
  Bottom Layer w10: v1(876.97,2515.75) 1026.16,2515.75 1225.91,2315.99 1225.91,1634.83 1527.94,1332.81 1527.94,1223.44 1701.96,1049.42 1701.96,985.43 v1(1676.18,959.65)
D_BOARD_GPIO0: P3.7 U9.5 | length 2867.9
  Top Layer w10: v1(592.52,2449.8) 611.22,2468.5 P3.7@672.64,2468.5 ; v1(1784.37,959.65) 1794.06,949.96 1794.06,644.11 1836.02,602.15 U9.5@1836.02,599.63
  Bottom Layer w10: v1(592.52,2449.8) 697.83,2555.12 1010.83,2555.12 1302.07,2263.87 1302.07,2081.03 1276.91,2055.88 1276.91,1655.96 1578.94,1353.93 1578.94,1244.56 1784.37,1039.13 v1(1784.37,959.65)
D_BOARD_GPIO1: P3.8 U9.6 | length 2279.8
  Top Layer w10: P3.8@1034.06,2468.5 1146.91,2468.5 v1(1207.68,2407.73) ; v1(1810.04,1000.7) 1811.06,999.68 1811.06,654.95 1849.94,616.07 U9.6@1849.94,613.55
  Bottom Layer w10: v1(1207.68,2407.73) 1207.68,2382.31 1319.07,2270.92 1319.07,2073.99 1293.91,2048.84 1293.91,1663 1595.94,1360.97 1595.94,1251.6 1810.04,1037.5 v1(1810.04,1000.7)
D_BOARD_GPIO2: P3.9 TP35.1 U9.7 | length 3066.6
  Top Layer w10: TP35.1@591.54,2507.87 P3.9@672.64,2507.87 ; v1(1841.54,959.65) 1841.54,950.26 1828.06,936.78 1828.06,665.78 1863.86,629.99 U9.7@1863.86,627.47
  Bottom Layer w10: TP35.1@591.54,2507.87 655.78,2572.12 1017.87,2572.12 1151.01,2438.98 1219.74,2438.98 1242.13,2416.59 1242.13,2371.9 1336.07,2277.96 1336.07,1870.35 1363.91,1842.52 1363.91,1785.59 1495.77,1653.72 1759.1,1653.72 1808.25,1604.57 1808.25,1159.65 1879.92,1087.98 1879.92,1013.74 1841.54,975.35 v1(1841.54,959.65)
D_BOARD_GPIO3: P3.10 TP36.1 U9.8 | length 2517.5
  Top Layer w10: P3.10@1034.06,2507.87 TP36.1@1211.61,2507.87 ; v1(1877.03,959.65) 1877.03,961.71 1866.04,950.71 1866.04,949.5 1851.68,935.15 1850.47,935.15 1845.06,929.74 1845.06,674.11 U9.8@1877.77,641.39
  Bottom Layer w10: TP36.1@1222.44,2507.87 1222.44,2460.32 1259.13,2423.63 1259.13,2378.94 1353.07,2285 1353.07,1877.4 1380.91,1849.56 1380.91,1792.63 1502.81,1670.72 1766.14,1670.72 1825.25,1611.61 1825.25,1166.69 1896.92,1095.02 1896.92,987.47 1877.03,967.58 v1(1877.03,959.65)
D_BOARD_SPI_CS0: P3.17 TP38.1 U9.2 | length 3401.5
  Top Layer w10: TP38.1@528.54,2673.23 540.35,2673.23 548.23,2665.35 P3.17@672.64,2665.35 676.57,2661.42 v1(739.17,2661.42) ; v1(684.68,2128.3) 686,2126.98 1236.04,2126.98 1249.09,2140.03 v1(1257.08,2140.03) ; v1(1727.36,1031.5) 1727.36,817.13 1760.06,784.43 1760.06,592.07 U9.2@1794.26,557.87
  Bottom Layer w10: v1(684.68,2128.3) 676.72,2136.27 590.11,2136.27 509.84,2216.54 509.84,2500.4 670.86,2661.42 v1(739.17,2661.42) ; v1(1257.08,2140.03) 1257.08,2086.61 1242.91,2072.45 1242.91,1641.87 1544.94,1339.85 1544.94,1230.48 1727.36,1048.06 v1(1727.36,1031.5)
D_BOARD_SPI_CS1: P3.19 TP39.1 U9.3 | length 3536.6
  Top Layer w10: TP39.1@529.53,2746.06 570.87,2704.72 P3.19@672.64,2704.72 754.92,2704.72 790.35,2669.29 v1(790.35,2657.48) ; v1(716.85,2155.13) 728,2143.98 1226.38,2143.98 1251.84,2169.44 v1(1273.9,2169.44) ; v1(1754.92,1000) 1754.92,813.61 1777.06,791.47 1777.06,602.91 U9.3@1808.18,571.79
  Bottom Layer w10: v1(716.85,2155.13) 716.85,2153.27 597.15,2153.27 526.84,2223.58 526.84,2493.36 667.34,2633.86 766.73,2633.86 v1(790.35,2657.48) ; v1(1273.9,2169.44) 1282.48,2160.85 1282.48,2085.48 1259.91,2062.92 1259.91,1648.92 1561.94,1346.89 1561.94,1237.52 1754.92,1044.54 v1(1754.92,1000)
ESD: MEC4.0 R_ESD.2